# KiCad board RUST_Motherboard.pro.kicad_pcb (continued)
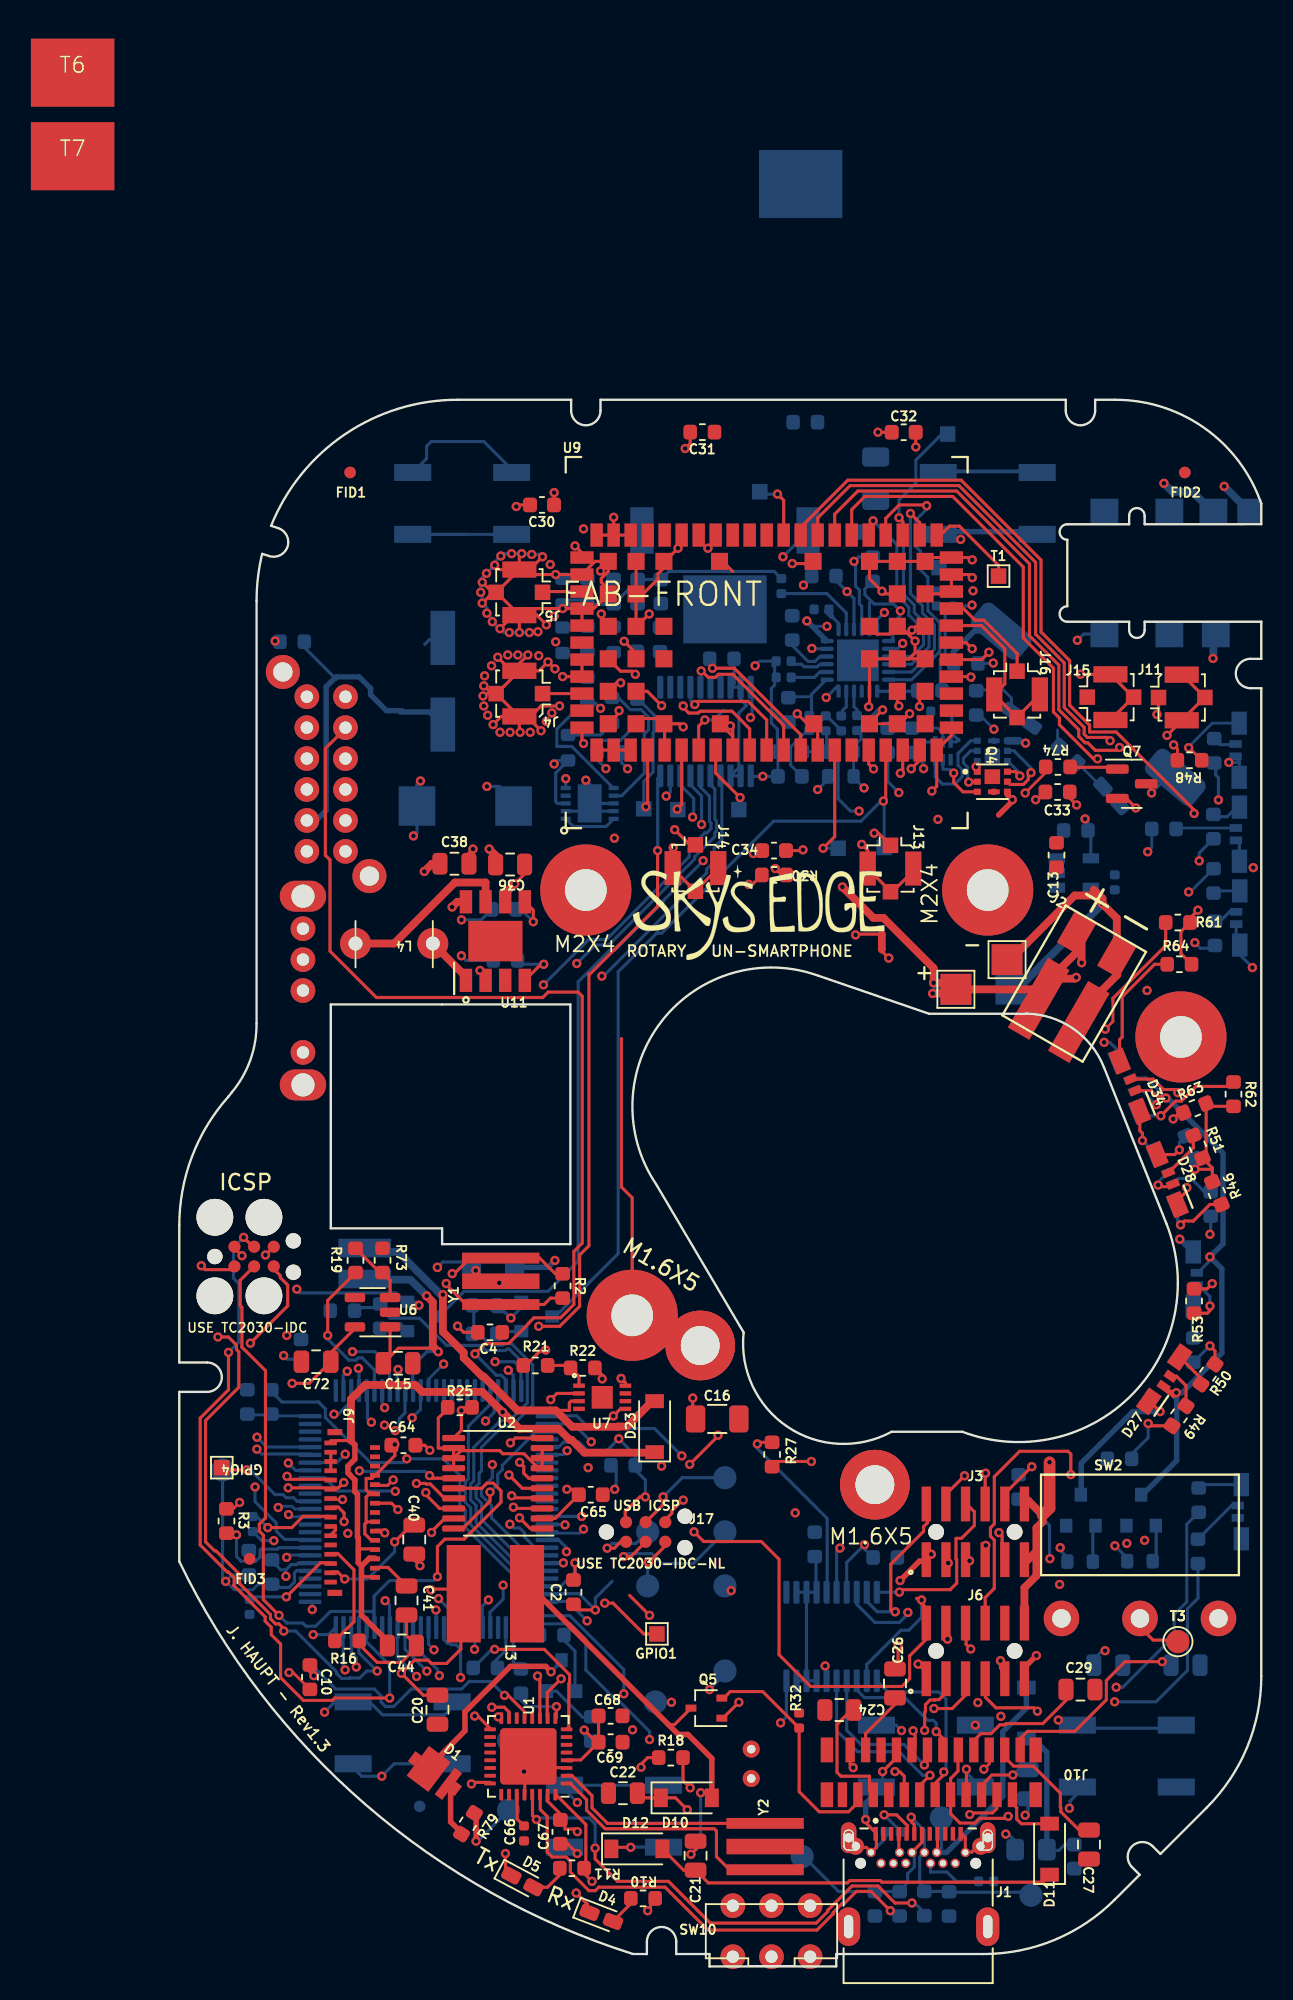
[diagram p0: board, top side]
## Routing (per net, layer and track width the routed paths; a pad name or vN(x,y) marks a point on that pad's centre or on a via; arc(x,y) is an arc through that point) (continued)
Net-(C49-Pad1): length 6.4
  L6_GND.Cu w0.18: 40.61,79.91 39.55,78.85 39.55,77.67 C49.1
  L6_GND.Cu w0.2: 41.85,80.86 40.9,79.91 ; 42.83,79.91 41.88,80.86
Net-(D1-A): length 3.3
  L1_GND+GNDA.Cu w0.35: 18.3,8.6 17.55,9.35 17.55,11.6
Net-(D1-K): length 13.4
  L1_GND+GNDA.Cu w0.2: 15.22,13.44 16.11,13.44
  L1_GND+GNDA.Cu w0.35: v1(24.05,19.05) 23.7,19.4 21.42,19.4 18.48,16.46 18.48,15.23 16.1,12.85
  L6_GND.Cu w0.2: 24.75,19.75 v1(24.05,19.05)
Net-(D2-A): length 3.3
  L6_GND.Cu w0.18: D2.2 53.83,82.01 53.31,82.54 51.6,82.54
Net-(D3-A): length 22.4
  L1_GND+GNDA.Cu w0.2: 49.05,8.6 49.05,7.45 ; 46.55,8.6 46.55,7.55
  L2_3v3+GNDA.Cu w0.2: 46.6,7.4 46.6,8.2 46.9,8.5 49,8.5 49,7.38
  L6_GND.Cu w0.2: VBUS1.1 49.3,7.67 J1.B4
  L6_GND.Cu w0.35: D3.2 54.8,16.7 53.27,15.17 53.27,11 49.64,7.37 J1.B4
Net-(D3-K): length 9.9
  L6_GND.Cu w0.2: 56.1,7.5 56.9,7.5 57.27,7.88 C7.1
  L6_GND.Cu w0.35: 56.12,7.55 56.12,13.85 55.24,14.73 D3.1
Net-(D4-A): length 2
  L1_GND+GNDA.Cu w0.2: D4.2 29.5,4.35
Net-(D4-K): length 18.6
  L1_GND+GNDA.Cu w0.2: v1(24.7,18.6) 23.8,17.7 23.8,16.15 ; v1(25.68,4.74) 26.4,4.02 26.4,3.5
  L4_GND.Cu w0.2: v1(24.7,18.6) 25.2,18.1 25.2,5.22 v1(25.68,4.74)
Net-(D5-A): length 2.3
  L1_GND+GNDA.Cu w0.2: 24.8,6.1 23.82,5.12 D5.2
Net-(D5-K): length 16.6
  L1_GND+GNDA.Cu w0.2: 21.5,5.9 21.1,6.3 v1(21.1,7.3) ; 23.33,16.1 23.33,18.62 v1(23.17,18.78)
  L4_GND.Cu w0.2: v1(21.1,7.3) 21.1,13.92 23.17,16 v1(23.17,18.78)
Net-(D6-A): length 4.8
  L6_GND.Cu w0.2: R15.1 50.09,84.72
  L6_GND.Cu w0.35: 50.08,84.27 50.08,84.99 51.42,86.34 D6.2
Net-(D6-K): length 2.2
  L1_GND+GNDA.Cu w0.18: v1(62.9,75.88) 62.9,76.13 Q7.3
  L6_GND.Cu w0.18: 63.92,76.89 v1(62.9,75.88)
Net-(D10-A): length 25.9
  L1_GND+GNDA.Cu w0.2: v1(33.73,11.23) 34.12,11.23 ; 31.64,15.64 32.04,15.64 Q5.3 ; v1(33.1,7.25) 33.95,8.1
  L1_GND+GNDA.Cu w0.35: 23.2,24.08 32.28,15 32.9,15 34.45,13.45 D10.2
  L6_GND.Cu w0.2: v1(33.73,11.23) 33.73,7.88 v1(33.1,7.25)
Net-(D11-K): length 26.3
  L1_GND+GNDA.Cu w0.2: D12.2 32.63,6.22 C21.1 34.22,5.4 43.23,5.4 43.38,5.55 45.34,5.55 45.45,5.45 55.87,5.45 56.35,5.93
Net-(D16-A1): length 124.8
  L4_GND.Cu w0.5: v1(43.98,74.7) 44.13,74.55 47.31,74.55 47.63,74.87 52.75,74.87 52.92,74.7 55.37,74.7 67.6,62.47 67.6,26.67 65.03,24.1 65.03,18.31 58.37,11.65 40.9,11.65 39.45,13.1 35.87,13.1 35.85,13.07 35.85,6.39 SW10.5
  L6_GND.Cu w0.2: v1(43.98,74.7) 43.42,74.7 42.62,75.5 42.62,77.94 C47.1 D16.1 ; 41.88,79.89 41.88,78.68
Net-(D18-A1): length 15.4
  L6_GND.Cu w0.2: 24.8,88.35 26.12,88.35 R68.2 R72.2 29.65,89.62 C63.1 31.14,89.69 C61.1 31.67,90.2 38.48,90.2 L8.1
Net-(D22-A): length 2.2
  L6_GND.Cu w0.18: 59.64,76.28 R44.1
Net-(D23-A): length 27.8
  L1_GND+GNDA.Cu w0.2: U7.3 25.34,36.55 25.23,36.44 25.23,35.95 24,35.95
  L1_GND+GNDA.Cu w0.5: 30.6,36.55 28.96,34.91 28.39,34.91 28.37,34.89 25.42,34.89 24.36,35.95 21.88,35.95 19.68,38.15 19.6,38.15 18.4,39.35 18.4,39.69 17.05,41.04 v1(17.05,43.44)
  L6_GND.Cu w0.5: v1(17.05,43.44) 16.91,43.44 14.15,46.2 12.2,46.2
Net-(D25-A1): length 2.9
  L6_GND.Cu w0.2: R45.1 66.31,50.09 65.45,50.95 64.65,50.95 64.3,50.6
Net-(D25-A2): length 4.6
  L1_GND+GNDA.Cu w0.2: R46.1 66.67,49.27 65.6,48.2 65.02,48.2 v1(64.77,47.95)
  L6_GND.Cu w0.2: v1(64.77,47.95) 64.59,48.13 64.59,49.26
Net-(D25-K1): length 45.8
  L1_GND+GNDA.Cu w0.18: D34.2 62.89,56.63 63.26,56.26 63.72,56.26 v1(63.83,56.15)
  L1_GND+GNDA.Cu w0.2: v1(63.33,50.52) 63.43,50.42 64.11,50.42
  L1_GND+GNDA.Cu w0.35: D27.2 64.09,37.1 v1(64.5,37.1) 64.33,36.93
  L2_3v3+GNDA.Cu w0.2: v1(66.68,45.88) 65.37,47.18 65.37,48.4 63.33,50.45 v1(63.33,50.52)
  L6_GND.Cu w0.18: D25.2 63.33,50.72 v1(63.33,50.52)
  L6_GND.Cu w0.2: 61.76,57.45 62.53,57.45 v1(63.83,56.15) ; v1(66.68,45.88) 66.68,45.64 65.91,44.88
  L6_GND.Cu w0.35: 62.25,30.44 64.52,32.71 64.52,36.73 64.4,36.85 64.4,37.05 64.48,37.12 ; v1(64.5,37.1) 64.88,37.1 67.45,39.67 67.45,45.11 v1(66.68,45.88) 67.52,46.73 67.52,52.58 63.95,56.15 v1(63.83,56.15)
Net-(D25-K2): length 46.2
  L1_GND+GNDA.Cu w0.2: 64.58,49.53 65.18,50.13 v1(65.18,50.36) ; 62.79,36.53 v1(63.45,35.88) ; D34.4 62.14,54.04 62.31,53.87 v1(62.31,53.4)
  L3_3v8+GNDA.Cu w0.2: v1(65.18,50.36) 65.58,50.36 65.87,50.65 ; D33.4 60.78,58.8 v1(59.83,59.75) ; 62.85,53.67 62.58,53.67 v1(62.31,53.4)
  L3_3v8+GNDA.Cu w0.35: v1(63.45,35.88) 63.45,38.5 65.23,40.27 65.23,46.97 65.98,47.72 65.98,50.55 65.87,50.65 65.71,50.65 62.85,53.51 62.85,53.67 62.5,54.02 62.5,55.4 61.48,56.42 61.48,57.86 D33.4 ; 65.23,46.52 v1(64.73,47.02)
  L6_GND.Cu w0.2: 63.21,52.51 v1(62.31,53.4) ; 61.04,58.91 60.2,59.75 v1(59.83,59.75)
  L6_GND.Cu w0.35: v1(63.45,35.88) 61.69,35.88 58.35,32.54 58.35,30.44 ; 65.52,46.22 v1(64.73,47.02)
Net-(D26-A1): length 1.4
  L6_GND.Cu w0.2: 68.3,79 67.35,79 67,79.35
Net-(D26-A2): length 5.1
  L1_GND+GNDA.Cu w0.18: v1(65.3,78.8) 65.33,78.8 R48.1
  L6_GND.Cu w0.18: v1(65.3,78.8) 65.3,78.86 66.83,80.39 D26.3
Net-(D27-A1): length 2.5
  L1_GND+GNDA.Cu w0.2: R49.1 65.13,37.55 64.51,38.16 D27.1
Net-(D27-A2): length 1.9
  L1_GND+GNDA.Cu w0.2: D27.3 66.1,38.03
Net-(D28-A1): length 3.1
  L1_GND+GNDA.Cu w0.2: R51.1 65.6,52.93 64.01,51.33
Net-(D28-A2): length 2.6
  L1_GND+GNDA.Cu w0.2: D28.3 64.4,52.5 v1(64.7,52.8)
  L6_GND.Cu w0.2: R52.1 64.7,53.3 v1(64.7,52.8)
Net-(D29-A1): length 3.1
  L1_GND+GNDA.Cu w0.2: R53.1 66.51,42.24 66.68,42.4 v1(66.68,42.7)
  L6_GND.Cu w0.2: v1(66.68,42.7) 66.68,43.31 65.91,44.07
Net-(D29-A2): length 2
  L6_GND.Cu w0.2: 65.53,40.7 65.53,42.72
Net-(D30-A1): length 3.8
  L6_GND.Cu w0.18: 64.55,73.61 D30.1
Net-(D30-A2): length 1.8
  L6_GND.Cu w0.2: 67.04,74.34 67.79,74.34 68.55,75.1
Net-(D31-A1): length 1.7
  L6_GND.Cu w0.2: 67.05,67.28 67.96,68.2 68.35,68.2
Net-(D31-A2): length 1.6
  L6_GND.Cu w0.18: D31.3 67.05,69.54
Net-(D32-A1): length 3.5
  L6_GND.Cu w0.2: R59.1 68.08,29.8 68.5,29.8
Net-(D32-A2): length 2.6
  L6_GND.Cu w0.2: 68.73,31.15 66.16,31.15
Net-(D33-A1): length 16.6
  L1_GND+GNDA.Cu w0.18: v1(59.9,60.6) 60.4,61.1 60.4,62.4
  L1_GND+GNDA.Cu w0.2: R61.1 63.81,66.01 60.4,62.59 60.4,62.4
  L3_3v8+GNDA.Cu w0.18: v1(63.22,55.72) 61.89,57.05 61.89,58.45 59.9,60.44 v1(59.9,60.6)
  L6_GND.Cu w0.18: D33.1 62.29,56.64 v1(63.22,55.72)
Net-(D33-A2): length 6.3
  L1_GND+GNDA.Cu w0.2: v1(63.5,55) 64.45,55.95 64.83,55.95 65.78,56.9 67.91,56.9
  L6_GND.Cu w0.2: 62.4,55 v1(63.5,55)
Net-(D34-A1): length 5.8
  L1_GND+GNDA.Cu w0.2: 64.69,55.19 v1(64.3,54.8) ; v1(64.6,56.5) 64.4,56.7 63.67,56.7 63,57.37 D34.1
  L2_3v3+GNDA.Cu w0.2: v1(64.3,54.8) 64.6,55.1 v1(64.6,56.5)
Net-(D34-A2): length 8
  L1_GND+GNDA.Cu w0.2: D34.3 60.83,59.93 61,60.1 61,62.7 63.1,64.8 R64.1
Net-(J1-CC1): length 3.8
  L1_GND+GNDA.Cu w0.2: v1(45.6,9.8) 46.41,9.8 47.1,9.11 47.1,8.6
  L6_GND.Cu w0.2: v1(45.6,9.8) 46.64,8.77
Net-(J1-CC2): length 4
  L6_GND.Cu w0.2: R4.1 50.27,5.5 49.67,6.1 48.6,6.1 48.6,6.69
Net-(J2-Pin_1): length 36.4
  L1_GND+GNDA.Cu w0.5: 58.95,62.38 60.68,64.11 60.68,64.97 ; v1(59.73,68.7) 59.17,69.25 57.92,69.25 53.77,65.1 ; v1(59.73,68.7) 59.73,69.06 59.16,69.63 ; v1(59.73,68.7) 60.65,67.78 60.65,65.32
  L3_3v8+GNDA.Cu w0.18: 48.15,77.75 49.86,79.46 54.39,79.46 v1(54.75,79.1)
  L6_GND.Cu w0.18: 47.41,78.49 48.15,77.75 ; v1(54.75,79.1) 54.6,79.25 53.62,79.25
  L6_GND.Cu w0.2: 48.15,77.75 v1(48.15,77.45) ; U3.4 48.07,79.17 C11.2
  L6_GND.Cu w0.5: 54.23,63.2 v1(59.73,68.7) ; Q3.4 54.3,79.25
Net-(J8-Pad2): length 45.1
  L3_3v8+GNDA.Cu w0.2: v1(27.25,81.35) 27.25,82.66 29.69,85.1 40.27,85.1 40.71,84.66 49.85,84.66 50.94,85.75 v1(58.1,85.75)
  L6_GND.Cu w0.2: v1(58.1,85.75) 58.5,86.15 59.7,86.15 ; U13.1 28.07,76.2 25.38,78.89 24.42,78.89 24.42,80.01 26.09,81.67 R71.1 26.92,81.67 v1(27.25,81.35)
Net-(J8-Pad4): length 102.1
  L4_GND.Cu w0.5: SW10.6 41.71,4.82 54.2,4.82 69,19.62 69,63.31 68.7,63.61 68.7,64.36 68.32,64.73 68.32,73.72 68.12,73.92 68.12,76.15 66.87,77.4 v1(66.87,84.57)
  L6_GND.Cu w0.5: 66.9,86.15 66.9,84.6 v1(66.87,84.57)
Net-(MK1-+): length 129.9
  L4_GND.Cu w0.5: MK1.2 38.15,11 58.64,11 65.68,18.04 65.8,18.16 65.8,21.34 65.68,21.46 65.68,23.31 68.25,25.88 68.25,26.4 68.25,62.74 67.67,63.31 67.67,73.45 66.35,74.78 66.35,74.84 66,75.19 66,80.88 62.5,84.38 57.9,84.38 55.2,87.07 55.2,93.2 57.9,95.9 v1(63.7,95.9)
  L6_GND.Cu w0.5: 66.75,94.15 65.55,95.35 64.25,95.35 v1(63.7,95.9)
Net-(MK1--): length 76.9
  L2_3v3+GNDA.Cu w0.2: v1(26.45,32.25) 26.55,32.35 v1(31.2,32.35)
  L4_GND.Cu w0.2: v1(31.2,32.35) 31.85,31.7 31.85,19.2 MK1.1 ; v1(41.3,76.1) 38,72.8 38,69.22 27.75,58.97 27.75,55.69 27.75,45.08 26.1,43.43 26.1,32.6 v1(26.45,32.25)
  L6_GND.Cu w0.2: R35.1 41.98,76.77 v1(41.3,76.1)
Net-(Q1-D): length 52.3
  L1_GND+GNDA.Cu w0.2: v1(45.55,75.35) 45.7,75.5 U9.18
  L6_GND.Cu w0.2: T15.1 45.6,75.3 v1(45.55,75.35) 45.4,75.35 44.1,74.05 38.45,74.05 31.21,66.81 30.89,66.81 ; 30.89,66.81 30.96,66.88 ; 30.89,66.81 28.39,64.31 28.39,46.09 24.23,41.92
Net-(Q1-G): length 1.8
  L6_GND.Cu w0.2: 22.12,41.05 20.35,41.05
Net-(Q2-D): length 55.8
  L1_GND+GNDA.Cu w0.2: v1(41.65,72.3) 42.4,73.05 U9.15
  L3_3v8+GNDA.Cu w0.2: v1(33.89,71.5) 33.98,71.41 38.2,71.41 38.33,71.54 40.89,71.54 v1(41.65,72.3)
  L6_GND.Cu w0.2: v1(33.89,71.5) 33.9,71.5 31.28,68.88 31.28,68.82 28.16,65.7 27.84,65.7 25.8,63.66 25.8,45.6 23.85,43.65 18.42,43.65 16.73,41.95 ; T14.1 v1(41.65,72.3)
Net-(Q2-G): length 1.9
  L6_GND.Cu w0.2: 13,41.56 14.28,41.56 14.75,41.1
Net-(Q3-D-Pad1): length 0.8
  L1_GND+GNDA.Cu w0.2: 51.62,77.25 51.55,77.33 v1(51.55,77.57)
  L6_GND.Cu w0.2: 51.62,77.95 51.55,77.87 v1(51.55,77.57)
Net-(Q3-D-Pad2): length 3.4
  L1_GND+GNDA.Cu w0.2: 51.62,76.6 51.1,76.6 v1(51.07,76.58)
  L6_GND.Cu w0.2: 51.62,78.6 51.2,78.6 50.72,78.12 50.72,77.81 51,77.53 51,76.79 50.94,76.73 51.07,76.6 v1(51.07,76.58)
Net-(Q3-D-Pad5): length 4.4
  L1_GND+GNDA.Cu w0.2: v1(55.1,77.19) 54.93,77.02 54.93,76.75 54.61,76.43 53.75,76.43 Q4.5
  L6_GND.Cu w0.2: Q3.5 54,78.6 55.1,77.5 v1(55.1,77.19)
Net-(Q3-D-Pad6): length 2.2
  L1_GND+GNDA.Cu w0.2: Q4.6 54.1,77.25 v1(54.38,76.98)
  L6_GND.Cu w0.2: v1(54.38,76.98) 54.38,77.15 Q3.6
Net-(Q3-G): length 6.4
  L6_GND.Cu w0.2: U3.3 48.9,76.93 49.38,76.45 50.18,76.45 50.45,76.72 50.45,76.73 50.65,76.93 50.65,77.39 50.37,77.66 50.37,78.42 51.2,79.25 51.62,79.25
Net-(Q4-G): length 3.8
  L1_GND+GNDA.Cu w0.2: v1(50.1,77.16) 50.1,76.55 50.7,75.95 51.62,75.95
  L6_GND.Cu w0.2: v1(50.1,77.16) 49.86,77.4 49.45,77.4 49.4,77.45 U3.2
Net-(Q6-B): length 3.6
  L6_GND.Cu w0.2: 25.6,17.8 25.6,20.38 24.87,21.11
Net-(Q7-B): length 2.9
  L1_GND+GNDA.Cu w0.2: 57.65,77.54 60.52,77.54
Net-(Q8-B): length 2.1
  L6_GND.Cu w0.2: 63.2,26.42 63.2,28.56
Net-(Q9-B): length 2.2
  L6_GND.Cu w0.2: R43.1 59.1,28.36
Net-(R2-Pad1): length 28.1
  L1_GND+GNDA.Cu w0.18: v1(3.9,30) 3.49,29.59 R3.1
  L1_GND+GNDA.Cu w0.2: R2.1 24.33,44.79 23.31,45.8 21.7,45.8 ; 18.8,45.8 17.8,44.8 v1(17.66,44.8)
  L2_3v3+GNDA.Cu w0.2: v1(3.9,30) 4.68,30 5.45,30.77 5.45,31.95 11.63,38.13 11.82,38.13 16.58,42.89 17.37,42.89 18.2,43.72 18.2,44.25 v1(17.66,44.8)
Net-(R20-Pad1): length 9.2
  L2_3v3+GNDA.Cu w0.2: 8.35,78.1 5.6,80.85 5.6,82.8 5.35,83.05 5.35,84.35 5.38,84.37 5.38,84.88 v1(6.2,85.7)
Net-(R69-Pad2): length 3.2
  L6_GND.Cu w0.2: R70.1 27.25,79.62 28,80.38
Net-(T1-Pad1): length 5.7
  L1_GND+GNDA.Cu w0.2: T1.1 53,90.6 50.47,93.13 49.83,93.13 49.25,92.55
Net-(U1-D+): length 32.6
  L1_GND+GNDA.Cu w0.2: v1(23.1,9.5) 22.85,9.75 22.85,11.12 ; v1(47.4,4.1) 46.3,4.1 45.2,5.2 43.52,5.2 41.95,3.63 41.95,3.55 41.21,2.8 34.35,2.8 31.65,5.5 28.35,5.5 26.9,6.95 v1(26.9,7.65)
  L6_GND.Cu w0.2: v1(47.4,4.1) 47.58,4.1 48.1,3.58 ; v1(23.1,9.5) 23.2,9.6 26.51,9.6 26.9,9.21 v1(26.9,7.65)
Net-(U1-D-): length 30.8
  L1_GND+GNDA.Cu w0.2: v1(46,3.6) 44.75,4.85 43.8,4.85 43.02,4.07 42.89,4.07 42.3,3.48 42.3,3.4 41.25,2.35 34.2,2.35 31.43,5.12 27.14,5.12 26.91,4.9 26.5,4.9 25.3,6.1 25.3,6.8 25.03,7.07 24.13,7.07 23.8,7.4 23.8,9.7 23.35,10.15 23.35,11.12
  L6_GND.Cu w0.2: v1(46,3.6) 46.35,3.6
Net-(U1-PC0/XTAL2): length 15.2
  L1_GND+GNDA.Cu w0.2: 25.08,12.35 25.39,12.35 26.7,11.04 26.7,10.25 27.7,9.25 38.5,9.25
Net-(U1-UCAP): length 2.3
  L1_GND+GNDA.Cu w0.2: C66.1 21.85,9.53 21.85,11.2
Net-(U1-XTAL1): length 14
  L1_GND+GNDA.Cu w0.2: 25.28,11.85 26.35,10.78 26.35,10.1 27.55,8.9 34.61,8.9 34.75,8.76 34.75,7.1 35.6,6.25
Net-(U2-A6): length 12.8
  L1_GND+GNDA.Cu w0.2: U2.13 18.23,33.35 20.73,33.35 20.93,33.15 22.3,33.15 23.23,32.21 U2.7 U2.8 U2.9 ; U2.13 U2.12 16.77,33.52 16.75,33.54 16.75,35.45 17.36,36.06 ; U2.13 U2.14
Net-(U3-BAT): length 4.3
  L6_GND.Cu w0.18: 45.84,80.07 C11.1 49.06,80.07 49.4,79.73 U3.5
Net-(U3-V-): length 3
  L6_GND.Cu w0.18: 49.58,81.15 49.8,81.15 49.98,80.96 ; U3.6 50.27,79.17 50.45,79.36
  L6_GND.Cu w0.2: 50.45,79.25 49.98,79.72 49.98,80.96
Net-(U4-PD7): length 3.9
  L6_GND.Cu w0.18: 5.9,35.66 4.45,35.66 ; 8.44,35.6 5.96,35.6
Net-(U4-XTAL1): length 31.3
  L1_GND+GNDA.Cu w0.2: R2.2 24.01,43.21 23.6,42.8 20.9,42.8 ; 18.55,42.8 17.27,44.08 v1(17.27,44.16)
  L2_3v3+GNDA.Cu w0.2: v1(17.27,44.16) 17.21,44.1 14.65,44.1 10,39.45 10,37.02 9.63,36.65 9.55,36.65 4.9,32 v1(4.9,31)
  L6_GND.Cu w0.2: 8.16,27.61 6.81,27.61 6.28,28.15 6.28,28.67 4.9,30.05 v1(4.9,31)
Net-(U4-XTAL2): length 7.6
  L1_GND+GNDA.Cu w0.2: R3.2 3.59,28.01 v1(3.7,27.9)
  L6_GND.Cu w0.2: U4.33 6.43,27.07 6.34,26.98 5.28,26.98 5.22,26.92 5.22,26.47 4.95,26.2 4,26.2 3.7,26.5 v1(3.7,27.9)
Net-(U6-EN): length 4.1
  L1_GND+GNDA.Cu w0.2: 12.97,44.86 R19.1 ; R73.2 13.64,44.38 13.64,43.15
Net-(U7-V_FB): length 2.7
  L1_GND+GNDA.Cu w0.2: U7.1 25.86,38.15 R22.1 ; R21.2 25.15,38.86
Net-(U8-A6): length 10.6
  L6_GND.Cu w0.2: U8.9 U8.8 ; U8.8 U8.13 ; U8.8 U8.7 ; 41.19,26.5 41.19,24.23 ; U8.14 U8.13 ; U8.13 U8.12
Net-(U9-GPIO5): length 3.8
  L1_GND+GNDA.Cu w0.2: v1(38.7,95.2) 39.1,94.8 U9.42
  L6_GND.Cu w0.2: v1(38.7,95.2) 37.7,95.2
Net-(U10-A7): length 9.5
  L6_GND.Cu w0.2: 36.7,81.55 36.31,81.93 U10.9 U10.8 35.9,82.95 35.9,84.41 ; 36.7,81.55 36.2,81.05 36.2,77.52 U10.13 U10.12 ; 36.7,81.55 36.65,81.6
Net-(U11-OUT1): length 3.3
  L1_GND+GNDA.Cu w0.5: U11.1 18.55,63.99 L4.1
Net-(U11-OUT2): length 11.3
  L1_GND+GNDA.Cu w0.5: L4.2 13.89,66.14 17.84,70.09 19.81,70.09 U11.7
Net-(U12-*IRQ): length 2.5
  L6_GND.Cu w0.2: 45.2,82.5 45.25,82.45 47.7,82.45
Net-(U12-MICBIAS): length 4.1
  L6_GND.Cu w0.18: 40.9,82.1 39.46,82.1
  L6_GND.Cu w0.2: 41.85,83.2 40.9,82.25 40.9,80.88
Net-(U12-MICLN): length 1.6
  L6_GND.Cu w0.2: 43.65,82.45 43.65,81.45 43.85,81.25 C51.1
Net-(U12-MICLP): length 1.8
  L6_GND.Cu w0.2: 42.9,80.88 42.9,81.2 43.15,81.45 43.15,82.55
Net-(U12-OUTN): length 6.1
  L6_GND.Cu w0.2: L8.2 41.9,88.77 43.15,87.52 U12.8
Net-(U12-OUTP): length 1.8
  L6_GND.Cu w0.2: 42.2,87.3 42.65,86.85 U12.7
  L6_GND.Cu w0.35: 42.2,87.3 41.87,87.62
Net-(U12-PREG): length 2.8
  L6_GND.Cu w0.2: 39.5,84.2 40.26,84.2 40.42,84.03 41.28,84.03 41.44,84.2 U12.3
Net-(U12-REF): length 2.9
  L6_GND.Cu w0.2: 42.01,84.71 41.46,84.71 41.13,84.38 40.68,84.38 39.64,85.43
Net-(U12-REG): length 2.8
  L6_GND.Cu w0.2: U12.2 41.44,83.7 41.09,83.35 39.58,83.35
Net-(U13A--): length 9.4
  L6_GND.Cu w0.2: R69.1 28.41,82.02 29.18,81.26 29.88,81.26 30.36,80.79 30.36,79.96 30.08,79.68 30.08,77.16 28.62,75.7 U13.2 ; 27.92,82.3 28.1,82.12
Net-(U13B--): length 20.7
  L2_3v3+GNDA.Cu w0.2: v1(26.15,92.95) 26.15,79.85 24.25,77.95 v1(24.25,77.75)
  L6_GND.Cu w0.2: v1(24.25,77.75) 24.48,77.97 R70.2 24.35,77.17 24.35,75.32 24.48,75.2 U13.8

## Copper pours and planes (outline as drawn; the poured copper is in the pictures)
+3V3 on L2_3v3+GNDA.Cu: 12.8,66.1 71.7,66.1 71.8,-3.59 -0.2,-3.53 -0.15,78.6 12.8,78.6
+3V8 on L3_3v8+GNDA.Cu: 12.8,66.07 75.16,66.1 75.14,-5.36 -3.08,-5.18 -2.95,78.6 12.77,78.57
+3V8 on L5_3v8.Cu: 77.65,-6.72 -3.15,-6.28 -2.65,106.6 77.77,106.7
GND on L6_GND.Cu: 74.3,-4.4 -1.7,-4.4 -1.7,-3.9 -2.2,-3.9 -2.2,78.6 -1.7,78.6 -1.7,105.6 74.3,105.6
GND on L4_GND.Cu: 76.87,-6.12 -3.92,-5.68 -3.42,107.2 77,107.3
GNDA on L2_3v3+GNDA.Cu: 73.8,66.6 13.3,66.6 13.3,79.1 0.8,79.1 0.8,103.85 73.8,103.97
GNDA on L3_3v8+GNDA.Cu: 75.75,66.63 13.3,66.6 13.3,79.1 -0.35,79.09 -0.4,105.01 75.7,105.17

## Text on the board
B.Silkscreen: OLED | FAB-BACK | LIVE FREE AND DIAL
User.Eco1: FAB NOTES: / -Board thickness: 1.6mm / -Solder mask: black / -Silk: white / -Finish: ENIG / -Panel: 1X3 with break away tabs according to RUSPMB_PanelReference.png
F.Silkscreen: ROTARY   UN-SMARTPHONE | J. HAUPT - Rev1.3 | M2X4 | M1.6X5 | FAB-FRONT
